# Altium PCB MICB.PcbDoc (part 1 of 3) (continued)
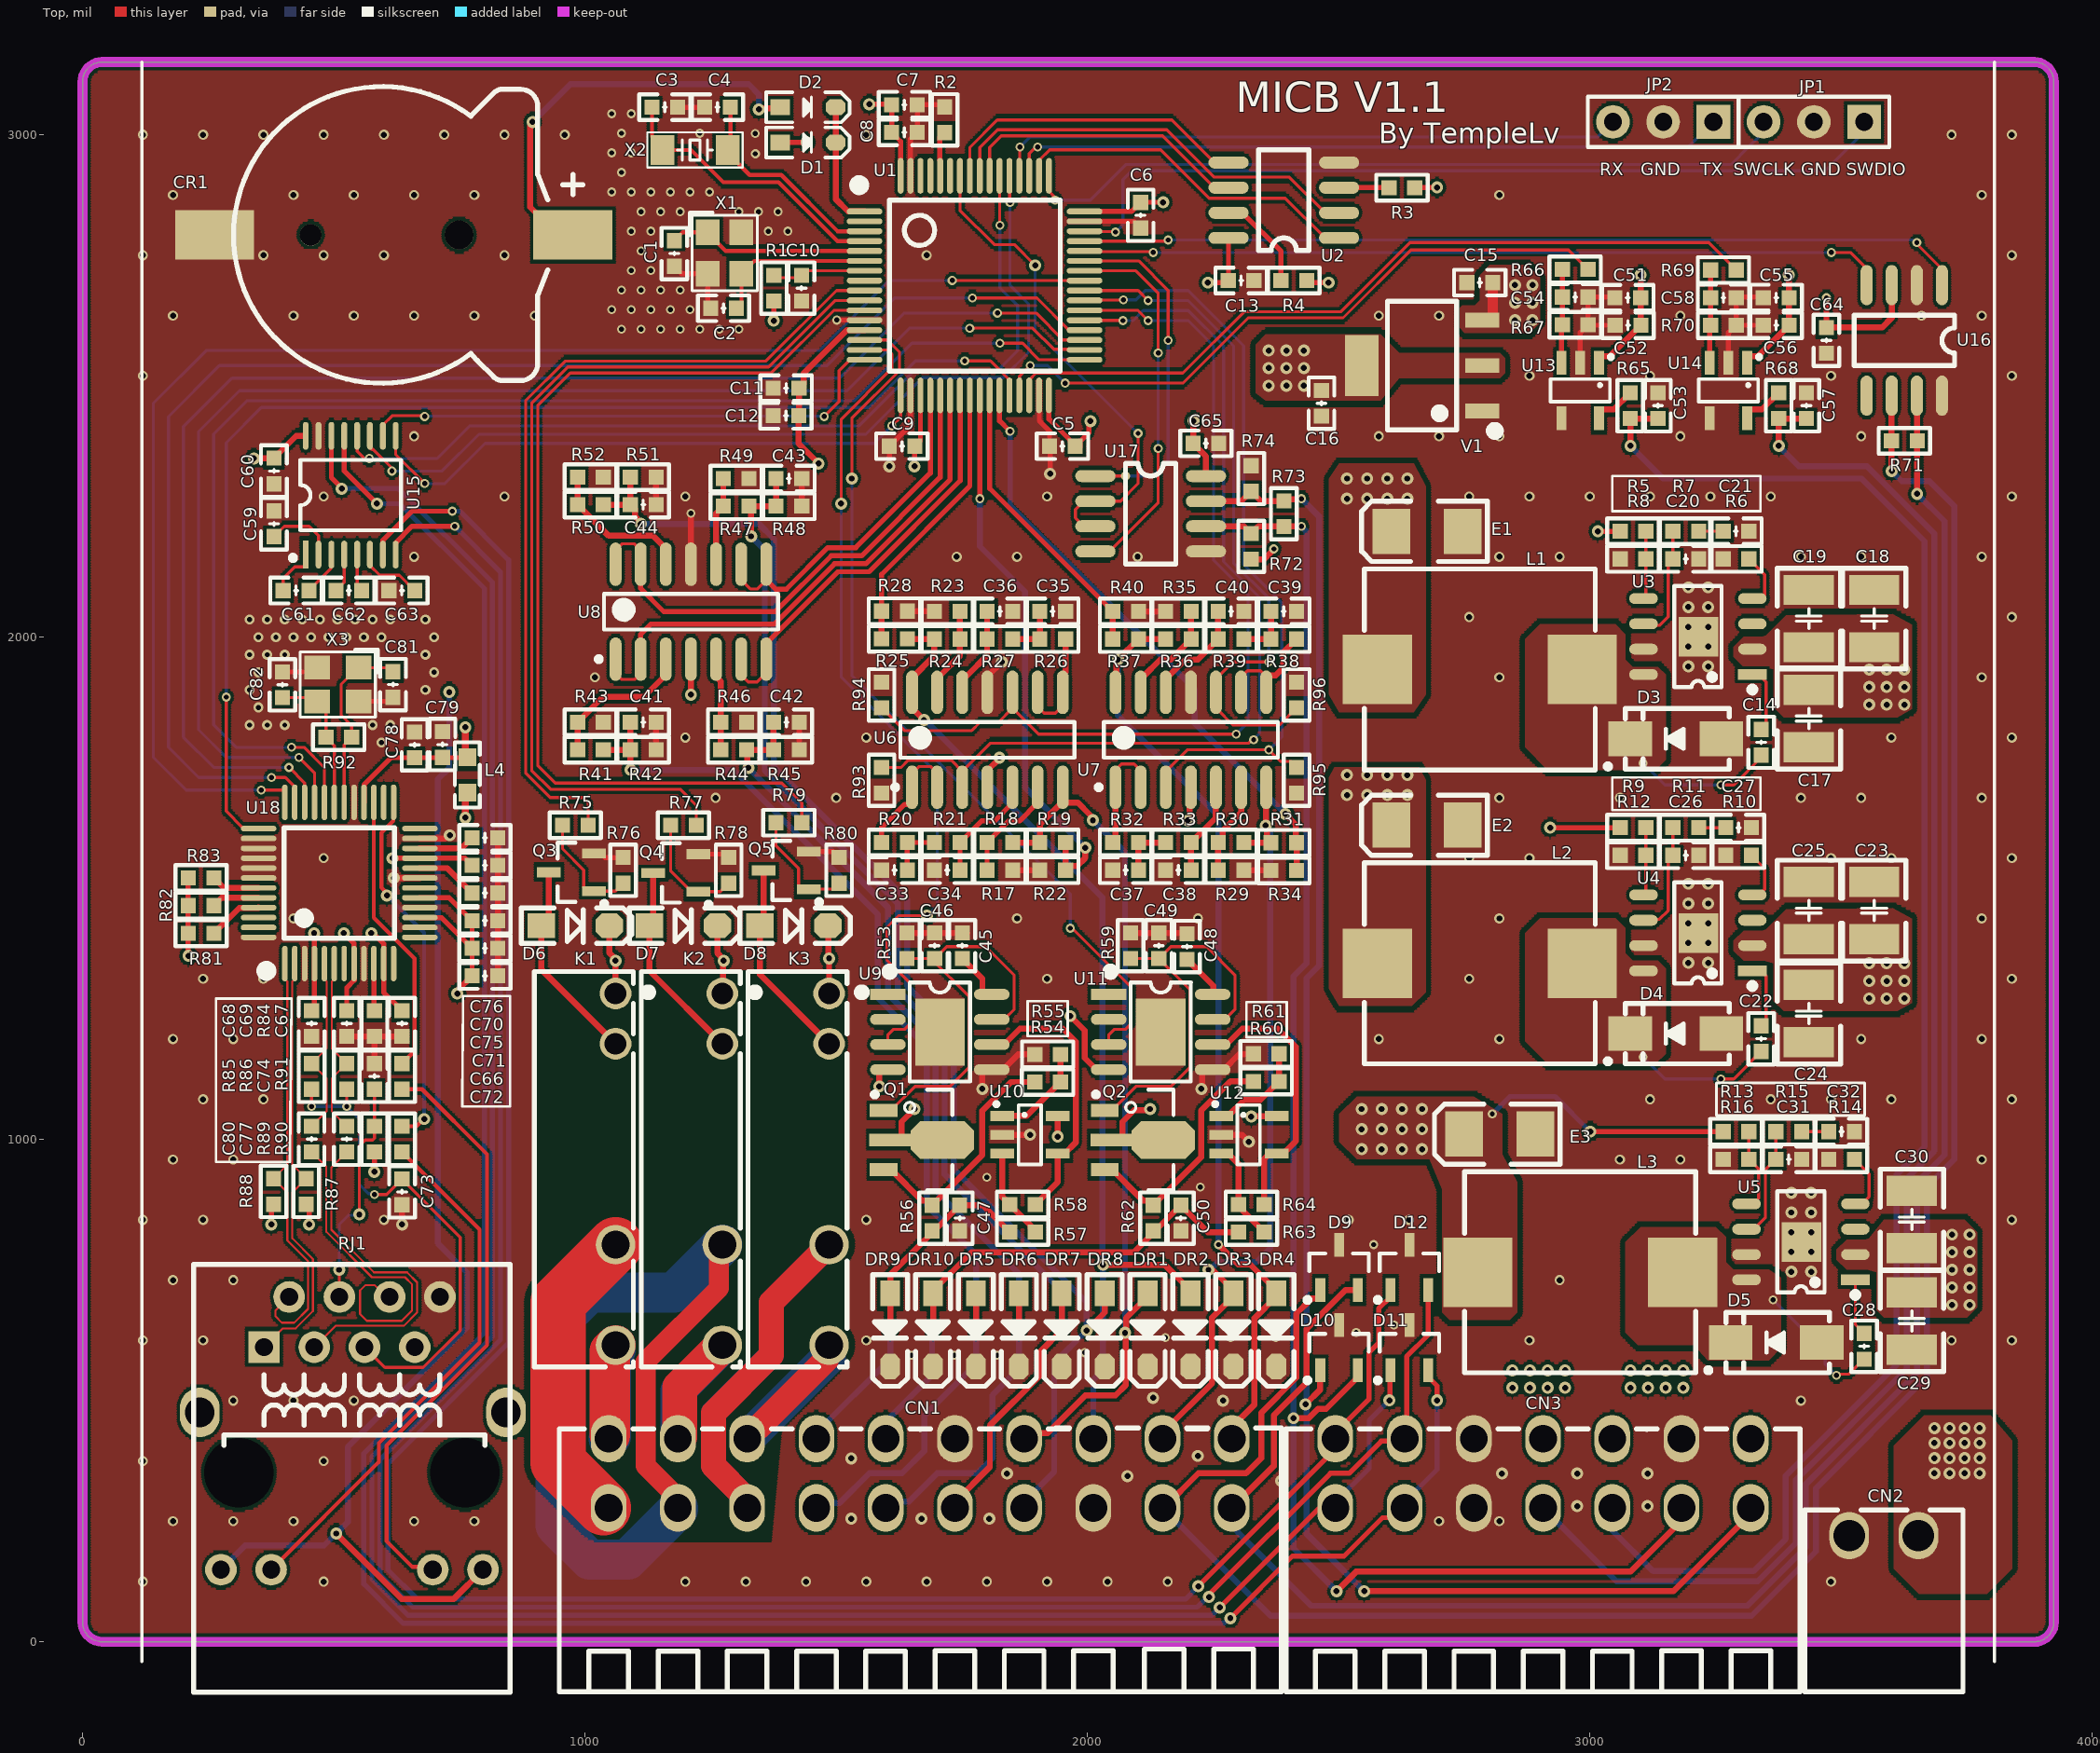
[diagram p0: Top view]
## Design rules (kind name [scope] priority, off if disabled: settings)
Clearance Clearance_RLY [InNetClass('RLY') vs InNet('GND')] p1: gap=12 ignorepadtopadclearanceinfootprint=TRUE
Clearance Clearance_PWR [InNetClass('PWR_NO_GND')] p2: gap=6 ignorepadtopadclearanceinfootprint=TRUE except(10: Fill-Fill Fill-Poly Fill-Region Poly-Poly Poly-Region Region-Region)
Clearance Clearance_VIN_COV_GND [InNetClass('CO_V') or InNet('GND') vs InNet('VIN')] p3: gap=10 ignorepadtopadclearanceinfootprint=TRUE
Clearance [All] p4: gap=6 ignorepadtopadclearanceinfootprint=TRUE
DiffPairsRouting DiffPair_100omDiffPairsRouting [InDifferentialPairClass('100om')] p1: maxlimit=6 minlimit=6 mostfreqgap=6 toplayer_minwidth=4 toplayer_maxwidth=4 toplayer_prefwidth=4 bottomlayer_minwidth=4 bottomlayer_maxwidth=4 bottomlayer_prefwidth=4 maxuncoupledlength=500
DiffPairsRouting [All] p2: maxlimit=10 minlimit=10 mostfreqgap=10 toplayer_minwidth=15 toplayer_maxwidth=15 toplayer_prefwidth=15 bottomlayer_minwidth=15 bottomlayer_maxwidth=15 bottomlayer_prefwidth=15 maxuncoupledlength=500
MatchedLengths DiffPair_100omMatchedLengths [InDifferentialPairClass('100om')] p1: tolerance=5 checknetsindiffpair=TRUE checkdiffpairvsdiffpair=FALSE checkxsignals=FALSE checkothers=FALSE
MatchedLengths DiffPair_MatchedLengths [All] p2: tolerance=1000 checknetsindiffpair=FALSE checkdiffpairvsdiffpair=TRUE checkxsignals=TRUE checkothers=TRUE
MatchedLengths DiffPair_100om2233MatchedLengths [InDifferentialPairClass('100om')] p3: tolerance=1000 checknetsindiffpair=FALSE checkdiffpairvsdiffpair=TRUE checkxsignals=TRUE checkothers=TRUE
MatchedLengths DiffPair_100omMatchedLengths_1 [InDifferentialPairClass('100om')] p4: tolerance=5 checknetsindiffpair=TRUE checkdiffpairvsdiffpair=FALSE checkxsignals=FALSE checkothers=FALSE
PlaneClearance [All] p1: clearance=7
PlaneConnect [All] p1: planeconnectstyle=Direct reliefexpansion=20 reliefentries=4 reliefconductorwidth=10 reliefairgap=10
PolygonConnect PolygonConnect_FL_PWR [All] p1: connectstyle=Direct reliefconductorwidth=10 reliefentries=4 polygonreliefangle="90 Angle" airgapwidth=10
PolygonConnect PolygonConnect_COV [InNetClass('CO_V')] p2: connectstyle=Direct reliefconductorwidth=10 reliefentries=4 polygonreliefangle="90 Angle" airgapwidth=10
PolygonConnect PolygonConnect_VIN [InNet('VIN')] p3: connectstyle=Direct reliefconductorwidth=40 reliefentries=4 polygonreliefangle="90 Angle" airgapwidth=10
PolygonConnect [All] p4: thpad.connectstyle=Relief thpad.reliefconductorwidth=20 thpad.reliefentries=4 thpad.polygonreliefangle="90 Angle" thpad.airgapwidth=10 smdpad.connectstyle=Relief smdpad.reliefconductorwidth=20 smdpad.reliefentries=4 smdpad.polygonreliefangle="90 Angle" smdpad.airgapwidth=10 via.connectstyle=Direct via.reliefconductorwidth=10 via.reliefentries=4 via.polygonreliefangle="90 Angle" via.airgapwidth=10
RoutingVias RoutingVias_VIN [InNet('VIN')] p1: holewidth=12 width=22 viastyle="Through Hole" minholewidth=10 minwidth=20 maxholewidth=14 maxwidth=24
RoutingVias RoutingVias_PWR [InNetClass('PWR')] p2: holewidth=12 width=24 viastyle="Through Hole" minholewidth=9 minwidth=18 maxholewidth=14 maxwidth=26
RoutingVias [All] p3: holewidth=12 width=22 viastyle="Through Hole" minholewidth=7.87 minwidth=17.72 maxholewidth=12 maxwidth=24
SilkToSilkClearance [All] p1: silktosilkclearance=2
SilkToSolderMaskClearance [IsPad] p1: minsilkscreentomaskgap=2 clearancetoexposedcopper=TRUE
SolderMaskExpansion [All] p1: expansion=2.5 istentingtop=FALSE
Width Width_PWR [InNetClass('PWR')] p1: maxlimit=40 minlimit=10 preferedwidth=20
Width Width_RLY [InNetClass('RLY')] p2: maxlimit=110 minlimit=30 preferedwidth=80
Width [All] p3: maxlimit=12 minlimit=4 preferedwidth=6
25 further rules are at their usual default settings.

## Classes and differential pairs
net class PWR_NO_GND: 3.3V 5V 6V 12V CO_5V CO_6V CO_12V
differential pair class 100om: D_RJ45_RX D_RJ45_RXC D_RJ45_TX
net class VIN: VIN
net class FL_PWR: 3.3V 5V 6V 12V
net class CO_V: CO_5V CO_6V CO_12V
net class RLY: COM_1 COM_2 COM_3 NO_1 NO_2 NO_3
net class PWR: 3.3V 3V3A 5V 6V 12V GND VIN
net class 12V: 12V
net class 5V: 5V
net class 6V: 6V
net class 3V3A: 3V3A
net class 3.3V: 3.3V
component class CONN: CN1 CN2 CN3 JP1 JP2
component class ETH: C66 C67 C68 C69 C70 C71 C72 C73 C74 C75 C76 C77 C78 C79 C80 C81 C82 L4 R81 R82 R83 R84 R85 R86 R87 R88 R89 R90 R91 R92 RJ1 U18 X3
component class Serial: C59 C60 C61 C62 C63 C64 C65 D9 D10 D11 D12 R71 R72 R73 R74 U15 U16 U17
component class RLY: D6 D7 D8 K1 K2 K3 Q3 Q4 Q5 R75 R76 R77 R78 R79 R80
component class PWM: C51 C52 C53 C54 C55 C56 C57 C58 R65 R66 R67 R68 R69 R70 U13 U14
component class Iout: C45 C46 C47 C48 C49 C50 DR9 DR10 Q1 Q2 R53 R54 R55 R56 R57 R58 R59 R60 R61 R62 R63 R64 U9 U10 U11 U12
component class Ain: C41 C42 C43 C44 DR5 DR6 DR7 DR8 R41 R42 R43 R44 R45 R46 R47 R48 R49 R50 R51 R52 U8
component class Vout: C33 C34 C35 C36 C37 C38 C39 C40 DR1 DR2 DR3 DR4 R17 R18 R19 R20 R21 R22 R23 R24 R25 R26 R27 R28 R29 R30 R31 R32 R33 R34 R35 R36 R37 R38 R39 R40 U6 U7
component class PWR: C14 C15 C16 C17 C18 C19 C20 C21 C22 C23 C24 C25 C26 C27 C28 C29 C30 C31 C32 D3 D4 D5 E1 E2 E3 L1 L2 L3 R5 R6 R7 R8 R9 R10 R11 R12 R13 R14 R15 R16 U3 U4 U5 V1
component class MCU: C1 C2 C3 C4 C5 C6 C7 C8 C9 C10 C11 C12 C13 CR1 D1 D2 R1 R2 R3 R4 U1 U2 X1 X2
differential pair D_RJ45_RXC: +RXC_P -RXC_N
differential pair D_RJ45_RX: +RX_P -RX_N
differential pair D_RJ45_TX: +TX_P -TX_N

## Components (designator, comment, footprint, x,y, rotation, side; value= is the part's Value field where it differs from the comment)
C1 "20pF/25V" "C 0603_L" 1178.06,2763.65 r270 top
C2 "20pF/25V" "C 0603_L" 1275.98,2654.72 r180 top
C3 "4.3pF/25V" "C 0603_L" 1158.91,3054.72 r0 top
C4 "4.3pF/25V" "C 0603_L" 1263.91,3054.72 r180 top
C5 "0.1uF/25V" "C 0603_L" 1950.39,2380.03 r0 top
C6 "0.1uF/25V" "C 0603_L" 2105.98,2839.72 r90 top
C7 "4.7uF/25V" "C 0603_L" 1635.98,3059.79 r180 top
C8 "0.1uF/25V" "C 0603_L" 1635.98,3004.79 r180 top
C9 "0.1uF/25V" "C 0603_L" 1630.98,2380.03 r0 top
C10 "0.1uF/25V" "C 0603_L" 1430.98,2694.72 r90 top
C11 "10nF/25V" "C 0603_L" 1400.39,2495.62 r180 top
C12 "1uF/25V" "C 0603_L" 1400,2440.63 r180 top
C13 "0.1uF/25V" "C 0603_L" 2305.98,2710.03 r180 top
C14 "100nF/10V" "C 0603_L" 3340.98,1790.63 r90 top
C15 "10uF/25V" "C 0603_L" 2780.98,2705.63 r0 top
C16 "22uF/25V" "C 0603_L" 2465.98,2465.63 r90 top
C17 "3.3uF/100V" "C 1210_L" 3435.98,1838.02 r90 top
C18 "3.3uF/100V" "C 1210_L" 3565.98,2036.85 r270 top
C19 "3.3uF/100V" "C 1210_L" 3435.98,2036.85 r270 top
C20 "36pF/50V" "C 0603_L" 3190.99,2155.63 r0 top
C21 "1.1nF/50V" "C 0603_L" 3290.98,2210.63 r0 top
C22 "100nF/10V" "C 0603_L" 3340.98,1200.63 r90 top
C23 "3.3uF/100V" "C 1210_L" 3565.98,1455.63 r270 top
C24 "3.3uF/100V" "C 1210_L" 3435.98,1250.63 r90 top
C25 "3.3uF/100V" "C 1210_L" 3435.98,1455.63 r270 top
C26 "43pF/50V" "C 0603_L" 3190.98,1565.63 r0 top
C27 "1.2nF/50V" "C 0603_L" 3295.98,1620.63 r0 top
C28 "100nF/10V" "C 0603_L" 3545.98,588.33 r90 top
C29 "10uF/100V" "C 1210_L" 3640.98,638.54 r90 top
C30 "10uF/100V" "C 1210_L" 3640.98,840.63 r270 top
C31 "6.8pF/100V" "C 0603_L" 3395.98,960.63 r0 top
C32 "1.8nF/50V" "C 0603_L" 3500.98,1015.63 r0 top
C33 "10uF/25V" "C 0603_L" 1615.98,1536.14 r0 top
C34 "10uF/25V" "C 0603_L" 1720.98,1536.14 r0 top
C35 "10uF/25V" "C 0603_L" 1930.98,2051.14 r180 top
C36 "10uF/25V" "C 0603_L" 1825.98,2051.14 r180 top
C37 "10uF/25V" "C 0603_L" 2075.98,1536.14 r0 top
C38 "10uF/25V" "C 0603_L" 2180.98,1536.14 r0 top
C39 "10uF/25V" "C 0603_L" 2390.98,2051.14 r180 top
C40 "10uF/25V" "C 0603_L" 2285.98,2051.14 r180 top
C41 "0.22uF/25V" "C 0603_L" 1115.98,1830.63 r180 top
C42 "0.22uF/25V" "C 0603_L" 1400.98,1830.63 r180 top
C43 "0.22uF/25V" "C 0603_L" 1405.98,2315.63 r180 top
C44 "0.22uF/25V" "C 0603_L" 1115.98,2263.5 r180 top
C45 "1uF/25V" "C 0603_L" 1750.98,1385.63 r90 top
C46 "1uF/25V" "C 0603_L" 1695.98,1385.63 r90 top
C47 "22uF/25V" "C 0603_L" 1745.98,843.5 r270 top
C48 "1uF/25V" "C 0603_L" 2198.39,1384.04 r90 top
C49 "1uF/25V" "C 0603_L" 2142.2,1385.63 r90 top
C50 "22uF/25V" "C 0603_L" 2185.99,843.5 r270 top
C51 "10uF/25V" "C 0603_L" 3075.67,2675.63 r180 top
C52 "0.1uF/25V" "C 0603_L" 3075.98,2620.75 r180 top
C53 "39nF/25V" "C 0603_L" 3135.67,2460.63 r270 top
C54 "1uF/25V" "C 0603_L" 2970.98,2676.85 r180 top
C55 "10uF/25V" "C 0603_L" 3370.98,2675.75 r180 top
C56 "0.1uF/25V" "C 0603_L" 3370.98,2620.75 r180 top
C57 "39nF/25V" "C 0603_L" 3430.98,2460.62 r270 top
C58 "1uF/25V" "C 0603_L" 3265.98,2675.75 r180 top
C59 "0.1uF/25V" "C 0603_L" 380.98,2225.63 r90 top
C60 "0.1uF/25V" "C 0603_L" 380.98,2330.63 r270 top
C61 "0.1uF/25V" "C 0603_L" 425,2092.68 r180 top
C62 "0.1uF/25V" "C 0603_L" 530,2092.68 r180 top
C63 "0.1uF/25V" "C 0603_L" 635.59,2092.67 r180 top
C64 "0.1uF/25V" "C 0603_L" 3470.98,2590.63 r270 top
C65 "0.1uF/25V" "C 0603_L" 2235.98,2385.63 r0 top
C66 "0.1uF/25V" "C 0603_L" 800.98,1380.63 r180 top
C67 "0.1uF/25V" "C 0603_L" 635.98,1230.63 r90 top
C68 "0.1uF/25V" "C 0603_L" 455.98,1230.63 r90 top
C69 "0.1uF/25V" "C 0603_L" 525.98,1230.63 r90 top
C70 "0.1uF/25V" "C 0603_L" 800.98,1545.63 r180 top
C71 "0.1uF/25V" "C 0603_L" 800.98,1435.63 r180 top
C72 "10uF/25V" "C 0603_L" 800.98,1325.63 r180 top
C73 "10nF/25V" "C 0603_L" 635.98,895.63 r90 top
C74 "22nF/25V" "C 0603_L" 580.98,1125.63 r270 top
C75 "4.7uF/25V" "C 0603_L" 800.98,1490.63 r0 top
C76 "10nF/25V" "C 0603_L" 800.98,1600.63 r0 top
C77 "6.8nF/25V" "C 0603_L" 525.98,1000.63 r270 top
C78 "0.1uF/25V" "C 0603_L" 660.98,1785.63 r90 top
C79 "10uF/25V" "C 0603_L" 716.4,1786.17 r90 top
C80 "6.8nF/25V" "C 0603_L" 455.98,1000.63 r270 top
C81 "18pF/25V" "C 0603_L" 618.06,1905.63 r270 top
C82 "18pF/25V" "C 0603_L" 398.05,1905.04 r90 top
CN1 "KF2EDGKRH-3.5-2*10P" CONN-TH_20P-P3.50_KEFA_KF2EDGKRH-3.5-2X10P 1667.4,335.47 r0 top locked
CN2 "KF2EDGR-3.5-2P" CONN-TH_P3.50_KF2EDGR-3.5-2P 3585.2,211.45 r0 top locked
CN3 "KF2EDGKRH-3.5-2*7P" CONN-TH_14P-P3.50_KEFA_KF2EDGKRH-3.5-2X7P 2906.97,335.47 r0 top locked
CR1 "BS-12-B2AA002" CR1220_B 595.98,2800.63 r0 top
D1 "1N4148" SOD-323 1443.91,2984.72 r0 top
D2 "1N4148" SOD-323 1443.91,3054.72 r0 top
D3 "SS510" SMA 3170.98,1797.63 r180 top
D4 "SS510" SMA 3170.98,1210.63 r180 top
D5 "SS510" SMA 3370.98,595.63 r180 top
D6 "1N4148W" SOD-123 980.98,1425.63 r0 top
D7 "1N4148W" SOD-123 1195.98,1425.63 r0 top
D8 "1N4148W" SOD-123 1415.98,1425.63 r0 top
D9 "PESD2CAN" SOT23-3N 2500.98,745.63 r0 top
D10 "SM712" SOT23-3N 2500.98,585.63 r0 top
D11 "SM15C" SOT23-3N 2640.98,585.63 r0 top
D12 "SM15C" SOT23-3N 2640.98,745.63 r0 top
DR1 "SMF11CA" SOD-123F 2119.83,620.63 r270 top
DR2 "SMF11CA" SOD-123F 2205.21,620.63 r270 top
DR3 "SMF11CA" SOD-123F 2290.6,620.63 r270 top
DR4 "SMF11CA" SOD-123F 2375.98,620.63 r270 top
DR5 "SMF11CA" SOD-123F 1778.29,620.63 r270 top
DR6 "SMF11CA" SOD-123F 1863.67,620.63 r270 top
DR7 "SMF11CA" SOD-123F 1949.06,620.63 r270 top
DR8 "SMF11CA" SOD-123F 2034.44,620.63 r270 top
DR9 "SMF11CA" SOD-123F 1607.52,620.63 r270 top
DR10 "SMF11CA" SOD-123F 1692.9,620.63 r270 top
E1 "68uF/10V" "CD B(3528)" 2675.98,2210.63 r0 top
E2 "47uF/16V" "CD B(3528)" 2675.98,1625.63 r0 top
E3 "47uF/16V" "CD B(3528)" 2820.98,1010.63 r0 top
JP1 "HDR-1X3" HDR2.54-LI-3P 3445.98,3025.63 r180 top
JP2 "HDR-1X3" HDR2.54-LI-3P 3145.98,3025.63 r180 top
K1 "HF49FD/012-1H11" RELAY-TH_HF49FD-XXX-1H11-XXX 1060.98,940.63 r270 top
K2 "HF49FD/012-1H11" RELAY-TH_HF49FD-XXX-1H11-XXX 1273.48,940.63 r270 top
K3 "HF49FD/012-1H11" RELAY-TH_HF49FD-XXX-1H11-XXX 1485.98,940.63 r270 top
L1 "15uH 4A" L-SMD-1040 2780.98,1935.63 r180 top
L2 "15uH 4A" L-SMD-1040 2780.98,1350.63 r180 top
L3 "33uH 4A" L-SMD-1040 2980.98,735.63 r180 top
L4 "120R 100MHz 1100mA" "L 0603" 765.98,1725.63 r270 top
Q1 "2SD882" SOT89_N 1671.38,998.94 r270 top
Q2 "2SD882" SOT89_N 2111.38,998.94 r270 top
Q3 "SS8050" SOT23-3N 973.43,1531.85 r90 top
Q4 "SS8050" SOT23-3N 1180.98,1530.63 r90 top
Q5 "SS8050" SOT23-3N 1400.98,1535.63 r90 top
R1 "10K(1%)(NC)" "R 0603_L" 1375.98,2694.72 r270 top
R2 "10K(1%)" "R 0603_L" 1715.98,3029.79 r270 top
R3 "10K(1%)" "R 0603_L" 2625.98,2894.72 r180 top
R4 "10K(1%)" "R 0603_L" 2410.98,2710.03 r180 top
R5 "60.4K(1%)" "R 0603_L" 3085.98,2210.63 r180 top
R6 "274K(1%)" "R 0603_L" 3290.98,2155.63 r0 top
R7 "23.7K(1%)" "R 0603_L" 3190.99,2210.63 r180 top
R8 "11.5K(1%)" "R 0603_L" 3085.99,2155.63 r0 top
R9 "71.5K(1%)" "R 0603_L" 3085.98,1620.63 r180 top
R10 "249K(1%)" "R 0603_L" 3295.98,1565.63 r0 top
R11 "18.7K(1%)" "R 0603_L" 3190.98,1620.63 r180 top
R12 "11K(1%)" "R 0603_L" 3085.98,1565.63 r0 top
R13 "147K(1%)" "R 0603_L" 3290.98,1015.63 r180 top
R14 "249K(1%)" "R 0603_L" 3500.98,960.63 r0 top
R15 "44.2K(1%)" "R 0603_L" 3395.98,1015.63 r180 top
R16 "10.5K(1%)" "R 0603_L" 3290.98,960.63 r0 top
R17 "1K(1%)" "R 0603_L" 1825.98,1536.14 r0 top
R18 "2.4K(1%)" "R 0603_L" 1825.98,1591.14 r180 top
R19 "2.4K(1%)" "R 0603_L" 1930.98,1591.14 r180 top
R20 "330R" "R 0603_L" 1615.98,1591.14 r180 top
R21 "330R" "R 0603_L" 1720.98,1591.14 r180 top
R22 "1K(1%)" "R 0603_L" 1930.98,1536.14 r0 top
R23 "1K(1%)" "R 0603_L" 1720.98,2051.14 r180 top
R24 "2.4K(1%)" "R 0603_L" 1720.98,1996.14 r0 top
R25 "2.4K(1%)" "R 0603_L" 1615.98,1996.73 r0 top
R26 "330R" "R 0603_L" 1930.98,1996.14 r0 top
R27 "330R" "R 0603_L" 1825.98,1996.14 r0 top
R28 "1K(1%)" "R 0603_L" 1615.98,2051.73 r180 top
R29 "1K(1%)" "R 0603_L" 2285.98,1536.14 r0 top
R30 "2.4K(1%)" "R 0603_L" 2285.98,1591.14 r180 top
R31 "2.4K(1%)" "R 0603_L" 2390.98,1590.63 r180 top
R32 "330R" "R 0603_L" 2075.98,1591.14 r180 top
R33 "330R" "R 0603_L" 2180.98,1591.14 r180 top
R34 "1K(1%)" "R 0603_L" 2390.98,1535.63 r0 top
R35 "1K(1%)" "R 0603_L" 2180.98,2051.14 r180 top
R36 "2.4K(1%)" "R 0603_L" 2180.98,1996.14 r0 top
R37 "2.4K(1%)" "R 0603_L" 2075.98,1996.14 r0 top
R38 "330R" "R 0603_L" 2390.98,1996.14 r0 top
R39 "330R" "R 0603_L" 2285.98,1996.14 r0 top
R40 "1K(1%)" "R 0603_L" 2075.98,2051.14 r180 top
R41 "100K(1%)" "R 0603_L" 1010.98,1775.63 r0 top
R42 "250R(1%)(NC)" "R 0603_L" 1115.98,1775.63 r180 top
R43 "40.2K(1%)" "R 0603_L" 1010.98,1830.63 r180 top
R44 "100K(1%)" "R 0603_L" 1295.98,1775.63 r0 top
R45 "250R(1%)(NC)" "R 0603_L" 1400.98,1775.63 r180 top
R46 "40.2K(1%)" "R 0603_L" 1295.98,1830.63 r180 top
R47 "100K(1%)" "R 0603_L" 1300.98,2260.63 r0 top
R48 "250R(1%)" "R 0603_L" 1405.98,2260.63 r180 top
R49 "40.2K(1%)" "R 0603_L" 1300.98,2315.63 r180 top
R50 "100K(1%)" "R 0603_L" 1010.98,2263.5 r0 top
R51 "250R(1%)" "R 0603_L" 1115.98,2318.5 r180 top
R52 "40.2K(1%)" "R 0603_L" 1010.98,2318.5 r180 top
R53 "10K(1%)" "R 0603_L" 1640.98,1385.63 r90 top
R54 "1M(1%)" "R 0603_L" 1920.99,1114.41 r0 top
R55 "1M(1%)" "R 0603_L" 1920.98,1169.41 r180 top
R56 "250R(1%)" "R 0603_L" 1690.98,843.5 r270 top
R57 "1M(1%)" "R 0603_L" 1870.98,815.63 r0 top
R58 "1M(1%)" "R 0603_L" 1870.98,870.63 r0 top
R59 "10K(1%)" "R 0603_L" 2085.98,1385.63 r90 top
R60 "1M(1%)" "R 0603_L" 2355.98,1115.63 r0 top
R61 "1M(1%)" "R 0603_L" 2355.98,1170.63 r180 top
R62 "250R(1%)" "R 0603_L" 2130.99,843.5 r270 top
R63 "1M(1%)" "R 0603_L" 2326.38,815.62 r0 top
R64 "1M(1%)" "R 0603_L" 2326.38,870.62 r0 top
R65 "100R" "R 0603_L" 3080.67,2460.63 r90 top
R66 "100R" "R 0603_L" 2970.98,2731.85 r0 top
R67 "10K(1%)" "R 0603_L" 2970.98,2621.85 r0 top
R68 "100R" "R 0603_L" 3375.98,2460.63 r90 top
R69 "100R" "R 0603_L" 3265.98,2730.75 r0 top
R70 "10K(1%)" "R 0603_L" 3265.98,2620.75 r0 top
R71 "120R" "R 0603_L" 3625.98,2390.63 r0 top
R72 "4.7K" "R 0603_L" 2325.98,2180.63 r270 top
R73 "120R(NC)" "R 0603_L" 2390.98,2245.63 r90 top
R74 "4.7K" "R 0603_L" 2325.98,2315.63 r270 top
R75 "1K(1%)" "R 0603_L" 980.98,1625.63 r0 top
R76 "1K(1%)" "R 0603_L" 1075.98,1535.63 r270 top
R77 "1K(1%)" "R 0603_L" 1195.98,1625.63 r0 top
R78 "1K(1%)" "R 0603_L" 1285.98,1535.63 r270 top
R79 "1K(1%)" "R 0603_L" 1405.98,1630.63 r0 top
R80 "1K(1%)" "R 0603_L" 1505.98,1535.63 r270 top
R81 "10K(1%)" "R 0603_L" 235.98,1410.63 r0 top
R82 "10K(1%)" "R 0603_L" 235.98,1465.63 r0 top
R83 "10K(1%)" "R 0603_L" 235.98,1520.63 r0 top
R84 "12.4K(1%)" "R 0603_L" 580.98,1230.63 r270 top
R85 "49.9R(1%)" "R 0603_L" 455.98,1125.63 r90 top
R86 "49.9R(1%)" "R 0603_L" 525.98,1125.63 r90 top
R87 "49.9R(1%)" "R 0603_L" 445.11,896.46 r90 top
R88 "49.9R(1%)" "R 0603_L" 380.11,896.46 r90 top
R89 "10R(1%)" "R 0603_L" 580.98,1000.63 r90 top
R90 "470R" "R 0603_L" 635.98,1000.63 r90 top
R91 "470R" "R 0603_L" 635.98,1125.63 r90 top
R92 "1M(1%)" "R 0603_L" 510.13,1800.63 r0 top
R93 "10K(1%)" "R 0603_L" 1590.38,1715 r90 top
R94 "10K(1%)" "R 0603_L" 1590.39,1885 r270 top
R95 "10K(1%)" "R 0603_L" 2416.57,1715 r90 top
R96 "10K(1%)" "R 0603_L" 2416.57,1885 r270 top
RJ1 "HR911105A" RJ-45A12 536.3,336.58 r0 top locked
U1 "STM32F103RCT6" "LQFP64 10x10_N" 1775.98,2699.72 r270 top
U2 "GD25Q16CTIG" SOP-8 2500.98,2794.72 r180 top
U3 "TPS54360DDAR" SOP-8EP 3323.48,1925.63 r90 top
U4 "TPS54360DDAR" SOP-8EP 3323.48,1335.63 r90 top
U5 "TPS54360DDAR" SOP-8EP 3528.48,720.63 r90 top
U6 "LM324DR" D014_N 1800.98,1795.63 r90 top
U7 "LM324DR" D014_N 2205.98,1795.63 r90 top
U8 "LM324DR" D014_N 1210.98,2050.63 r90 top
U9 "GP8102S-TC50-EW" ESOP8_N 1706.38,1213.94 r0 top
U10 "LM321" SOT23-5N 1885.98,1009.41 r270 top
U11 "GP8102S-TC50-EW" ESOP8_N 2145.98,1213.94 r0 top
U12 "LM321" SOT23-5N 2321.38,1009.41 r270 top
U13 "UCC27517ADBVR" SOT23-5N 2980.98,2490.63 r180 top
U14 "UCC27517ADBVR" SOT23-5N 3275.98,2490.63 r180 top
U15 "SP3232EEY-L/TR" TSSOP16_N 533.78,2282.68 r90 top
U16 "TJA1050T/CM,118" SOP-8 3700.98,2700.63 r270 top
U17 "MAX3485ESA" SOP-8 2015.98,2320.63 r0 top
U18 "W5500" "LQFP48 7X7_N" 510.98,1510.63 r0 top
V1 "CJT1117B-3.3" SOT223_L 2665.98,2540.63 r90 top
X1 "8M" "OSC 3225-4P" 1278.06,2764.72 r270 top
X2 "32.768 kHz ±10PPM" "OSC 3215-2P" 1218.91,2969.72 r0 top
X3 "25M" "OSC 3225-4P" 508.06,1905.63 r180 top

## Footprints (in the part's own frame and the unit in brackets; to place one, negate y for a bottom-side part, rotate by r counter-clockwise, add the part's x,y. Pads: shape width x height; smd on the part's side, far side on the other; paste and mask are expansions set on the pad)
"C 0603_L" [mil] "无极性贴片电容"
  rect 30x30 smd: 1(-25.59,0) 2(25.59,0)
  silkscreen extent -51,-26 51,26, body extent -31,-16 31,16, height 32
"C 1210_L" [mil] "无极性贴片电容"
  rect 60x100 smd: 1(-57.09,0) 2(57.09,0)
  silkscreen extent -100,-63 100,63, body extent -63,-51 63,51, height 60
"CD B(3528)" [mil] "长3.5mm，宽2.8mm，厚1.9mm"
  rect 75x90 smd: 1(-70.87,-0.01) 2(70.86,-0.01)
  silkscreen extent -130,-60 120,60, body extent -69,-55 69,55, height 75
CONN-TH_14P-P3.50_KEFA_KF2EDGKRH-3.5-2X7P [mm]
  oval 1.8x2.4 hole 1.4: 1(-10.5,-1.75) 2(-10.5,1.75) 3(-7,-1.75) 4(-7,1.75) 5(-3.5,-1.75) 6(-3.5,1.75) 7(0,-1.75) 8(0,1.75) 9(3.5,-1.75) 10(3.5,1.75) 11(7,-1.75) 12(7,1.75) 13(10.5,-1.75) 14(10.5,1.75)
  silkscreen extent -13,-11.05 13,2.25, body extent -13.13,-11.05 12.87,2.25, height 15.26
CONN-TH_20P-P3.50_KEFA_KF2EDGKRH-3.5-2X10P [mm]
  oval 1.8x2.4 hole 1.4: 1(-15.75,-1.75) 2(-15.75,1.75) 3(-12.25,-1.75) 4(-12.25,1.75) 5(-8.75,-1.75) 6(-8.75,1.75) 7(-5.25,-1.75) 8(-5.25,1.75) 9(-1.75,-1.75) 10(-1.75,1.75) 11(1.75,-1.75) 12(1.75,1.75) 13(5.25,-1.75) 14(5.25,1.75) 15(8.75,-1.75) 16(8.75,1.75) 17(12.25,-1.75) 18(12.25,1.75) 19(15.75,-1.75) 20(15.75,1.75)
  silkscreen extent -18.25,-11.05 18.25,2.29, body extent -18.25,-11.05 18.25,2.25, height 15.26
CONN-TH_P3.50_KF2EDGR-3.5-2P [mm]
  oval 2x2.4 hole 1.6: 1(-1.75,0) 2(1.75,0)
  silkscreen extent -4,-7.9 4,1.3, body extent -4.13,-7.9 3.87,1.3, height 6.98
CR1220_B [mm] "纽扣电池座"
  round 1.1 hole 1.1: 0(-3.6,0)
  round 1.45 hole 1.45: 0(3.9,0)
  rect 4x2.5 smd: 1(9.652,0) 2(-8.458,0)
  silkscreen extent -7.5,-7.5 10.16,7.5, body extent -9.42,-7.45 10.34,7.45, height 4.05
D014_N [mm] "SOIC, 14-Leads, Body 8.7x3.9mm, Pitch 1.27mm, IPC Medium Density"
  oval 2.2x0.6 smd: 1(-2.4,3.81) 2(-2.4,2.54) 3(-2.4,1.27) 4(-2.4,0) 5(-2.4,-1.27) 6(-2.4,-2.54) 7(-2.4,-3.81) 8(2.4,-3.81) 9(2.4,-2.54) 10(2.4,-1.27) 11(2.4,0) 12(2.4,1.27) 13(2.4,2.54) 14(2.4,3.81)
  silkscreen extent -2.52,-4.4 0.9,4.78, body extent -2,-4.38 2,4.38, height 1.75
ESOP8_N [mm] "5*6*1.8mm（长宽高）"
  rect 1.8x0.55 smd: 1(-2.625,1.905)
  oval 1.8x0.55 smd: 2(-2.625,0.635) 3(-2.625,-0.635) 4(-2.625,-1.905) 5(2.625,-1.905) 6(2.625,-0.635) 7(2.625,0.635) 8(2.625,1.905)
  rect 2.5x3.4 smd paste-2: 9(0,0)
  rect 0.9x0.7 on Top Paste: 10(-0.625,-1.1) 10(-0.625,0) 10(-0.625,1.1) 11(0.65,-1.1) 11(0.65,0) 11(0.65,1.1)
  silkscreen extent -2.69,-2.5 1.52,3.2, body extent -3,-2.5 3,2.5, height 1.53
HDR2.54-LI-3P [mm] "排针，3脚"
  rect 1.7x1.7 hole 0.9: 1(-2.54,0)
  round 1.7 hole 0.9: 2(0,0) 3(2.54,0)
  silkscreen extent -3.81,-1.27 3.81,1.27, body extent -3.81,-1.27 3.81,1.27, height 8.5
"L 0603" [mil] "小功率贴片电感"
  rect 35x35 smd: 1(-35,0) 2(35,0)
  silkscreen extent -65,-25 65,25, body extent -31,-16 31,16, height 31
L-SMD-1040 [mm] "一体化成型电感"
  rect 3.5x3.5 smd: 1(-5.177,0) 2(5.177,0)
  silkscreen extent -5.84,-5.08 5.84,5.08, body extent -5.5,-5 5.5,5, height 3.7
"LQFP48 7X7_N" [mm] "48脚，体宽7x7mm，脚距0.5mm"
  oval 0.279x1.8 smd: 1(-2.75,-4.075) 2(-2.25,-4.075) 3(-1.75,-4.075) 4(-1.25,-4.075) 5(-0.75,-4.075) 6(-0.25,-4.075) 7(0.25,-4.075) 8(0.75,-4.075) 9(1.25,-4.075) 10(1.75,-4.075) 11(2.25,-4.075) 12(2.75,-4.075) 25(2.75,4.075) 26(2.25,4.075) 27(1.75,4.075) 28(1.25,4.075) 29(0.75,4.075) 30(0.25,4.075) 31(-0.25,4.075) 32(-0.75,4.075) 33(-1.25,4.075) 34(-1.75,4.075) 35(-2.25,4.075) 36(-2.75,4.075)
  oval 1.8x0.279 smd: 13(4.075,-2.75) 14(4.075,-2.25) 15(4.075,-1.75) 16(4.075,-1.25) 17(4.075,-0.75) 18(4.075,-0.25) 19(4.075,0.25) 20(4.075,0.75) 21(4.075,1.25) 22(4.075,1.75) 23(4.075,2.25) 24(4.075,2.75) 37(-4.075,2.75) 38(-4.075,2.25) 39(-4.075,1.75) 40(-4.075,1.25) 41(-4.075,0.75) 42(-4.075,0.25) 43(-4.075,-0.25) 44(-4.075,-0.75) 45(-4.075,-1.25) 46(-4.075,-1.75) 47(-4.075,-2.25) 48(-4.075,-2.75)
  silkscreen extent -3.93,-4.69 2.79,2.79, body extent -4.5,-4.5 4.5,4.5, height 1.45
"LQFP64 10x10_N" [mm] "64脚，体宽10x10mm，脚距0.5mm"
  oval 0.3x1.8 smd: 1(-3.75,-5.575) 2(-3.25,-5.575) 3(-2.75,-5.575) 4(-2.25,-5.575) 5(-1.75,-5.575) 6(-1.25,-5.575) 7(-0.75,-5.575) 8(-0.25,-5.575) 9(0.25,-5.575) 10(0.75,-5.575) 11(1.25,-5.575) 12(1.75,-5.575) 13(2.25,-5.575) 14(2.75,-5.575) 15(3.25,-5.575) 16(3.75,-5.575) 33(3.75,5.55) 34(3.25,5.55) 35(2.75,5.55) 36(2.25,5.55) 37(1.75,5.55) 38(1.25,5.55) 39(0.75,5.55) 40(0.25,5.55) 41(-0.25,5.55) 42(-0.75,5.55) 43(-1.25,5.55) 44(-1.75,5.55) 45(-2.25,5.55) 46(-2.75,5.55) 47(-3.25,5.55) 48(-3.75,5.55)
  oval 1.8x0.3 smd: 17(5.55,-3.75) 18(5.55,-3.25) 19(5.55,-2.75) 20(5.55,-2.25) 21(5.55,-1.75) 22(5.55,-1.25) 23(5.55,-0.75) 24(5.55,-0.25) 25(5.55,0.25) 26(5.55,0.75) 27(5.55,1.25) 28(5.55,1.75) 29(5.55,2.25) 30(5.55,2.75) 31(5.55,3.25) 32(5.55,3.75) 49(-5.55,3.75) 50(-5.55,3.25) 51(-5.55,2.75) 52(-5.55,2.25) 53(-5.55,1.75) 54(-5.55,1.25) 55(-5.55,0.75) 56(-5.55,0.25) 57(-5.55,-0.25) 58(-5.55,-0.75) 59(-5.55,-1.25) 60(-5.55,-1.75) 61(-5.55,-2.25) 62(-5.55,-2.75) 63(-5.55,-3.25) 64(-5.55,-3.75)
  silkscreen extent -5.33,-6.09 4.32,4.32, body extent -6,-6 6,6, height 1.45
"OSC 3215-2P" [mm] "3.2*1.5*0.6mm(长宽高)"
  rect 1.2x1.5 smd: 1(-1.65,0) 2(1.65,0)
  silkscreen extent -2.41,-0.89 2.41,0.89, body extent -1.6,-0.75 1.6,0.75, height 0.61
"OSC 3225-4P" [mm] "3.2*2.5*0.7mm(长宽高)"
  rect 1.3x1.2 smd: 1(-1.05,-0.85) 2(1.05,-0.85) 3(1.05,0.85) 4(-1.05,0.85)
  silkscreen extent -2.03,-1.75 1.9,1.65, body extent -1.6,-1.25 1.6,1.25, height 0.7
"R 0603_L" [mil] "1/10W贴片电阻"
  rect 30x30 smd: 1(-25.59,0) 2(25.59,0)
  silkscreen extent -51,-26 51,26, body extent -31,-16 32,16, height 16
RELAY-TH_HF49FD-XXX-1H11-XXX [mm]
  round 1.6 hole 1.1: 1(-8.89,0) 2(-6.35,0)
  round 2 hole 1.4: 3(3.81,0) 4(8.89,0)
  silkscreen extent -10,-4.1 10,1.85, body extent -10,-4.15 10,0.85, height 12.8
RJ-45A12 [mil] "网线接口"
  round 130 hole 137.8: 0(-225,0) 0(225,0)
  rect 63x63 hole 35.43: 1(-175,250)
  round 63 hole 35.43: 2(-125,350) 3(-75,250) 4(-25,350) 5(25,250) 6(75,350) 7(125,250) 8(175,350) 9(-260.83,-192.91) 10(-160.83,-192.91) 11(160.82,-192.91) 12(260.82,-192.91)
  oval 78.74x98.43 hole 59.06: 13(306.49,120.08) 14(-302.96,120.08)
  silkscreen extent -315,-437 315,415, body extent -314,-430 311,412, height 103
SMA [mm] "4.5x2.6*2.2mm（长宽高，不包括引脚）"
  rect 2.2x1.75 smd: 1(-2.3,0) 2(2.3,0)
  silkscreen extent -2.7,-1.52 3.56,1.52, body extent -2.53,-1.3 2.58,1.3, height 2.15
SOD-123 [mil] "2.7x1.6X1.1mm（长宽高，不包括引脚）"
  rect 55x50 smd: 1(-67.5,0)
  oct 55x50 smd: 2(67.5,0)
  silkscreen extent -108,-35 112,35, body extent -73,-31 73,31, height 48
SOD-123F [mm] "2.7x1.6X1.1mm（长宽高，不包括引脚）"
  rect 1.3x1 smd: 1(-1.85,0)
  oct 1.3x1 smd: 2(1.85,0)
  silkscreen extent -2.79,-0.89 2.84,0.89, body extent -1.9,-0.8 1.9,0.8, height 1.15
SOD-323 [mm] "1.8x1.3X0.9mm（长宽高，不包括引脚）"
  rect 1x0.8 smd: 1(-1.4,0)
  oct 1x0.8 smd: 2(1.4,0)
  silkscreen extent -2.11,-0.76 2.11,0.76, body extent -1.34,-0.63 1.31,0.67, height 1
SOP-8 [mil]
  oval 80x24 smd: 1(0,0) 2(0,-50) 3(0,-100) 4(0,-150) 5(220,-150) 6(220,-100) 7(220,-50) 8(220,0)
  silkscreen extent 60,-175 160,25, body extent -15,-173 235,24, height 74
SOP-8EP [mm]
  rect 0.55x1.44 smd: 1(0,0)
  oval 0.55x1.44 smd: 2(1.28,0) 3(2.56,0) 4(3.84,0) 5(3.84,5.5) 6(2.56,5.5) 7(1.28,5.5) 8(0,5.5)
  rect 2x2 smd: 9(1.905,2.73)
  silkscreen extent -0.91,-0.15 4.48,3.95, body extent -0.5,-0.28 4.31,5.71, height 1.69
SOT23-3N [mm] "3x1.3x1mm(长宽高)"
  rect 0.5x1.2 smd: 1(-0.95,-1.143) 2(0.95,-1.143) 3(0,1.143)
  silkscreen extent -1.72,-1.78 1.5,0.7, body extent -1.5,-1.2 1.5,1.2, height 1.05
SOT23-5N [mm] "3x1.6x1.1mm(长宽高)"
  rect 0.5x1.2 smd: 1(-0.95,-1.4) 2(0,-1.4) 3(0.95,-1.4) 4(0.95,1.4) 5(-0.95,1.4)
  silkscreen extent -1.63,-1.78 1.5,0.56, body extent -1.5,-1.4 1.5,1.4, height 1.15
SOT89_N [mm] "4.6x4.3x1.6mm(长宽高)"
  rect 0.65x1.4 smd: 1(-1.5,-1.952) 3(1.5,-1.952)
  oct 1.9x3.2 smd: 2(0,1.016)
  rect 0.65x2.1 smd: 2(0,-1.626)
  silkscreen extent -2.54,-2.52 2.54,1.52, body extent -2.3,-2.4 2.3,1.9, height 1.6
SOT223_L [mm] "6.4x7x1.6mm(长宽高)"
  rect 0.75x1.7 smd: 1(-2.3,-3.048) 2(0,-3.048) 3(2.3,-3.048)
  rect 3.1x1.7 smd: 2(0,3.048)
  silkscreen extent -3.5,-3.88 3.25,1.75, body extent -3.25,-3.51 3.25,3.51, height 1.65
TSSOP16_N [mm] "5*6.4*1mm（长宽高）"
  rect 1.4x0.3 smd: 1(-3.004,2.275)
  oval 1.4x0.3 smd: 2(-3.004,1.625) 3(-3.004,0.975) 4(-3.004,0.325) 5(-3.004,-0.325) 6(-3.004,-0.975) 7(-3.004,-1.625) 8(-3.004,-2.275) 9(2.996,-2.275) 10(2.996,-1.625) 11(2.996,-0.975) 12(2.996,-0.325) 13(2.996,0.325) 14(2.996,0.975) 15(2.996,1.625) 16(2.996,2.275)
  silkscreen extent -3.3,-2.54 1.78,3.05, body extent -3.2,-2.5 3.2,2.5, height 1.03

## Part data
C1 C2 C3 C4 C5 C6 C7 C8 C9 C10 C11 C12 C13 C14 C15 C16 C17 C18 C19 C20 C21 C22 C23 C24 C25 C26 C27 C28 C29 C30 C31 C32 C33 C34 C35 C36 C37 C38 C39 C40 C41 C42 C43 C44 C45 C46 C47 C48 C49 C50 C51 C52 C53 C54 C55 C56 C57 C58 C59 C60 C61 C62 C63 C64 C65 C66 C67 C68 C69 C70 C71 C72 C73 C74 C75 C76 C77 C78 C79 C80 C81 C82: library part C, "无极性贴片电容", BOM名称=无极性贴片电容, 学习资源=www.ooocke.com, 版权归属=源创客
CN1: "20P 间距P=3.5mm / 插拔式接线端子", BOM_Manufacturer=KEFA(科发), BOM_Manufacturer Part=KF2EDGKRH-3.5-2*10P, BOM_Supplier=LCSC, BOM_Supplier Part=C2923169, Contributor=LCSC, spicePre=C, spiceSymbolName=KF2EDGKRH-3.5-2*10P
CN2: "3.5mm 排数:1 每排P数:2 弯针 / 插拔式接线端子", BOM_JLCPCB Part Class="Extended Part", BOM_Manufacturer="Cixi Kefa Elec", BOM_Manufacturer Part=KF2EDGR-3.5-2P, BOM_Supplier=LCSC, BOM_Supplier Part=C441171, Contributor=LCSC, spicePre=C, spiceSymbolName=KF2EDGR-3.5-2P
CN3: "14P 间距P=3.5mm / 插拔式接线端子", BOM_Manufacturer=KEFA(科发), BOM_Manufacturer Part=KF2EDGKRH-3.5-2*7P, BOM_Supplier=LCSC, BOM_Supplier Part=C2923166, Contributor=LCSC, spicePre=C, spiceSymbolName=KF2EDGKRH-3.5-2*7P_C2923166
CR1: library part CR-3V, "MYOUNG(美阳) 电池底座 适用电池:CR1220", BOM名称=微型电池, 学习资源=www.ooocke.com, 版权归属=源创客
D1 D2: "高速开关二极管", BOM名称=高速开关二极管, 学习资源=www.ooocke.com, 版权归属=源创客
D3 D4 D5: library part SS210, "肖特基二极管", BOM名称=肖特基二极管, 学习资源=www.ooocke.com, 版权归属=源创客
D6 D7 D8: library part 1N4148, "高速开关二极管", BOM名称=高速开关二极管, 学习资源=www.ooocke.com, 版权归属=源创客
D9: BOM_JLCPCB Part Class="Extended Part", BOM_Manufacturer=DOWO, BOM_Manufacturer Part=PESD2CAN, BOM_Supplier=LCSC, BOM_Supplier Part=C284078, Contributor=LCSC, spicePre=D, spiceSymbolName=PESD2CAN
D10 D11 D12: library part PESD2CAN, BOM_JLCPCB Part Class="Extended Part", BOM_Manufacturer=DOWO, BOM_Manufacturer Part=PESD2CAN, BOM_Supplier=LCSC, BOM_Supplier Part=C284078, Contributor=LCSC, spicePre=D, spiceSymbolName=PESD2CAN
DR1 DR2 DR3 DR4 DR5 DR6 DR7 DR8 DR9 DR10: library part DR, "瞬态电压抑制二极管", BOM名称=瞬态电压抑制二极管, 学习资源=www.ooocke.com, 版权归属=源创客
E1 E2 E3: library part C-CD, "贴片钽电容", BOM名称=贴片钽电容, 学习资源=www.ooocke.com, 版权归属=源创客
JP1 JP2: library part "Header 3", "3P排针", BOM名称=3P接插件, 学习资源=www.ooocke.com, 版权归属=源创客
K1 K2 K3: BOM_JLCPCB Part Class="Extended Part", BOM_Manufacturer="Xiamen Hongfa Electroacoustic", BOM_Manufacturer Part=HF49FD/012-1H12, BOM_Supplier=LCSC, BOM_Supplier Part=C399491, Contributor=LCSC, spicePre=K, spiceSymbolName=HF49FD/012-1H12
L1 L2 L3: library part L-CDRH, "一体成型电感", BOM名称=功率屏蔽电感, 学习资源=www.ooocke.com, 版权归属=源创客
L4: library part L, "磁珠 HH-1M1608-121JT", BOM名称=小功率贴片电感, 学习资源=www.ooocke.com, 版权归属=源创客
Q1 Q2: library part D882-SMD, "音频功放-NPN型", BOM名称=音频功放-NPN型, 学习资源=www.ooocke.com, 属性="40V 3A 30W", 版权归属=源创客
Q3 Q4 Q5: library part 8050-SMD, "高频放大-NPN型", BOM名称=高频放大-NPN型, 学习资源=www.ooocke.com, 属性="40V 1.5A 1W 100MHZ", 版权归属=源创客
R1 R2 R3 R4 R5 R6 R7 R8 R9 R10 R11 R12 R13 R14 R15 R16 R17 R18 R19 R20 R21 R22 R23 R24 R25 R26 R27 R28 R29 R30 R31 R32 R33 R34 R35 R36 R37 R38 R39 R40 R41 R42 R43 R44 R45 R46 R47 R48 R49 R50 R51 R52 R53 R54 R55 R56 R57 R58 R59 R60 R61 R62 R63 R64 R65 R66 R67 R68 R69 R70 R71 R72 R73 R74 R75 R76 R77 R78 R79 R80 R81 R82 R83 R84 R85 R86 R87 R88 R89 R90 R91 R92 R93 R94 R95 R96: library part R, "贴片电阻", BOM名称=贴片电阻, 学习资源=www.ooocke.com, 版权归属=源创客
RJ1: "带灯以太网接口"
U2: "spi flash", BOM_JLCPCB Part Class="Extended Part", BOM_Manufacturer=XTX, BOM_Manufacturer Part=XT25F32BSOIGU-S, BOM_Supplier=LCSC, BOM_Supplier Part=C558851, Contributor=LCSC, spicePre=U, spiceSymbolName=XT25F32BSOIGU-S
U3 U4 U5: BOM_JLCPCB Part Class="Extended Part", BOM_Manufacturer=TI, BOM_Manufacturer Part=TPS54360DDAR, BOM_Supplier=LCSC, BOM_Supplier Part=C44377, spicePre=U, spiceSymbolName=TPS54360DDAR
U6 U7 U8: "Quadruple Operational Amplifier", Code_IPC=SOIC127P600-14, ComponentLink1Description="Manufacturer Link", ComponentLink1URL=http://www.ti.com/, ComponentLink2Description=Datasheet, ComponentLink2URL=http://www-s.ti.com/sc/ds/lm324.pdf, DatasheetVersion=Jan-1989, LatestRevisionDate=13-Apr-2006, LatestRevisionNote="IPC-7351 Footprint Added.", PackageDescription="14-Pin Small Outline Integrated Circuit 1.27 mm Pitch", PackageReference=D014, PackageVersion=Jan-1998, Published=15-Apr-2002, Publisher="Altium Limited"
V1: library part AMS1117, "三端稳压芯片", BOM名称=稳压芯片, 学习资源=www.ooocke.com, 版权归属=源创客
X1 X3: library part XTAL-4P, "4脚无源晶振", BOM名称=4脚无源晶振, 学习资源=www.ooocke.com, 版权归属=源创客
X2: library part XTAL-2P, "2脚无源脚晶振 型号Q13FC13500005", BOM名称=2脚无源脚晶振, 学习资源=www.ooocke.com, 版权归属=源创客

## Via types
v1: diameter 24, hole 12, Top to Bottom, tented both sides, 215 vias
v2: diameter 20, hole 12, Top to Bottom, tented both sides, 159 vias
v3: diameter 18, hole 10, Top to Bottom, tented both sides, 121 vias
v4: diameter 20, hole 10, Top to Bottom, tented both sides, 34 vias
v5: diameter 24, hole 12, Top to Bottom, 30 vias

## Nets (pads, with @x,y where several pads share a name; then routed paths per layer and width w, separated by ;. In a path a pad name is that pad's centre, name@x,y a point inside that pad or via, vN(x,y) a via of type N, cw(c..) or ccw(c..) an arc to the next point about the centre after c; other vN are vias at no path point)
3.3V: C5.2 C6.2 C7.2 C8.2 C9.2 C11.1 C12.1 C13.2 C16.2 C60.1 C65.1 C78.1 C79.1 D1.1 L4.1 R1.2 R3.1 R4.1 R72.2 RJ1.9 RJ1.12 U1.13 U1.19 U1.32 U1.48 U1.64 U2.8 U15.16 U17.8 U18.28 V1.2 | length 4450.3
  Top w10: U18.28@560.2,1671.08 560.39,1671.27 560.39,1706.02 614.41,1760.04 C78.1@660.99,1760.04 765.39,1760.04 L4.1@765.98,1760.63 ; v1(1375.98,2630.03) R1.2@1375.98,2664.13 ; D1.1@1379.11,2985.03 v1(1440.98,2985.03) ; v1(1565.98,3060.63) 1609.56,3060.63 C7.2@1610.4,3059.8 ; C7.2@1610.4,3059.72 C8.2@1610.4,3004.8 1610.4,3004.72 1628.35,2986.77 U1.64@1628.35,2918.22 ; v1(1655.98,2340.03) 1655.98,2379.44 C9.2@1656.57,2380.03 1667.72,2391.17 U1.19@1667.72,2481.21 ; U1.32@1923.62,2481.21 1923.62,2434.14 1965.98,2391.78 1965.98,2390.03 C5.2@1975.98,2380.03 ; C5.2@1985.28,2390.03 C5.2@1985.28,2389.33 ; U1.48@1994.49,2847.35 2088.04,2847.35 C6.2@2105.99,2865.3 2106.31,2865.63 v1(2150.98,2865.63) ; v1(2005.98,2430.03) 2003.31,2427.35 2003.31,2407.35 C5.2@1985.28,2389.33 ; v1(2240,2705.63) 2276.58,2705.63 2280.98,2710.03 U2.8@2280.98,2794.72 ; R4.1@2436.58,2710.03 2440.98,2705.63 v1(2480,2705.63) ; R3.1@2651.58,2894.72 2651.89,2895.03 v1(2695.98,2895.03) ; C5.2@1975.98,2380.03 C5.2@1985.28,2389.33 ; C5.2@1975.98,2380.03 1975.28,2379.33 1985.28,2379.33 C5.2@1985.28,2389.33
  Top w12: v1(340.98,2355.63) 341.28,2355.93 380.68,2355.93 C60.1@380.98,2356.22 425.39,2400.63 U15.16@444.21,2400.63 ; v1(505,215.63) 635,85.63 739.09,85.63 RJ1.12@797.12,143.66 ; v1(1465,2345.63) 1425.3,2385.33 1425.3,2440.34 1425.79,2440.83 1425.79,2495.43 C11.1@1425.98,2495.63 1434.98,2504.63 1434.98,2524.8 1521.22,2611.04 1556.39,2611.04 U1.13@1556.48,2611.13 ; v1(2210.98,2430.63) 2210.69,2430.33 2210.69,2385.92 C65.1@2210.39,2385.63 2235.98,2360.03 U17.8@2235.98,2320.63 ; R72.2@2325.98,2155.04 2352.02,2155.04 2370.98,2174.01 v3(2370.98,2175.63)
  Top w14: v1(761.98,1820.63) 761.98,1764.63 L4.1@765.98,1760.63
  Bottom w12: RJ1.9@275.47,143.66 323.6,191.79 481.16,191.79 527.84,238.47 527.84,387.79 765,624.95 765,735.63 706.98,793.65 706.98,1716.65 730,1739.67 v1(730,1890.63) ; v3@2369.84,2174.48 v3(2370.98,2175.63)
  other v1: 2360.98,2500.63 2395.98,2500.63 2430.98,2500.63 2360.98,2535.63 2395.98,2535.63 2430.98,2535.63 2360.98,2570.63 2395.98,2570.63 2430.98,2570.63
3V3A: C66.2 C67.2 C68.2 C69.2 C70.2 C71.2 C72.2 L4.2 R81.1 R82.1 R83.1 R87.1 R88.1 R89.1 U18.4 U18.8 U18.11 U18.15 U18.17 U18.21 | length 1417.2
  Top w10: R83.1@210.39,1520.63 R82.1@210.39,1465.63 R81.1@210.39,1410.63 210.39,1376.22 210.98,1375.63 v1(210.98,1365.63) ; v1(375.98,830.63) 375.98,860.87 385.15,870.04 R88.1@385.99,870.04 ; R87.1@440.98,869.49 442.36,869.49 R87.1@443.05,868.8 ; R87.1@445.11,870.87 450.98,864.99 v1(450.98,830.63) ; C68.2@455.99,1256.22 461.77,1262 U18.4@461.77,1350.18 461.58,1350.37 461.58,1410.03 v1(460.98,1410.63) ; v1(520,1410.63) 540.32,1390.31 540.32,1350.84 U18.8@540.97,1350.18 ; C69.2@525.99,1256.22 525.99,1302.08 540.98,1317.07 U18.8@540.98,1350.18 ; v1(575,1410.63) 578.52,1410.63 599.38,1389.77 599.38,1350.37 U18.11@599.57,1350.18 599.57,1292.64 C67.2@635.99,1256.22 ; v1(580.98,935.63) R89.1@580.99,975.04 ; v1(616.98,1560.03) 617.08,1559.94 671.34,1559.94 U18.21@671.43,1559.84 761.19,1559.84 C70.2@775.4,1545.63 ; U18.15@671.43,1441.73 671.62,1441.54 714.49,1441.54 C66.2@775.4,1380.63 ; U18.17@671.43,1481.1 729.93,1481.1 C71.2@775.4,1435.63 C66.2@775.4,1380.63 ; C72.2@775.4,1325.63 C66.2@775.4,1380.63
  Top w12: v1(745.98,1290.63) 748.28,1292.93 748.28,1298.52 C72.2@775.4,1325.63
  Top w14: v1(761.98,1640.63) 761.98,1686.63 L4.2@765.98,1690.63
5V: C15.2 C51.1 C52.1 C55.1 C56.1 C64.1 CN3.10 E1.1 L1.2 R5.2 U13.1 U14.1 U16.3 V1.3 | length 843.1
  Top w10: v1(3015.98,2210.63) 3055.4,2210.63 R5.2@3060.4,2205.63
  Top w12: U13.1@3018.39,2545.75 3018.39,2555.53 3022.23,2559.37 3041.64,2559.37 3041.64,2560.82 C52.1@3101.58,2620.75 3101.42,2620.91 3101.42,2675.48 C51.1@3101.26,2675.63 3101.12,2675.77 3101.12,2720.49 v1(3100.98,2720.63) ; U14.1@3313.39,2545.75 3313.39,2555.53 3317.23,2559.37 3336.64,2559.37 3336.64,2560.82 C56.1@3396.58,2620.75 3396.42,2620.91 3396.42,2675.48 3396.12,2675.77 3396.12,2720.49 v1(3395.98,2720.63) ; C64.1@3470.98,2616.22 3581.58,2616.22 3600.98,2635.63 U16.3@3600.98,2700.63 ; C64.1@3470.98,2616.22 v3(3470.98,2675.63)
  Top w20: V1.3@2785.98,2631.18 2801.81,2631.18 2806.57,2635.95 C15.2@2806.57,2705.63
  other v1: 3080.98,505.63 3115.98,505.63 3150.98,505.63 3185.98,505.63 3080.98,540.63 3115.98,540.63 3150.98,540.63 3185.98,540.63 2516.86,2275.64 2556.86,2275.64 2596.86,2275.64 2636.86,2275.64 2516.86,2315.64 2556.86,2315.64 2596.86,2315.64 2636.86,2315.64 2850.98,2630.63 2885.98,2630.63 2850.98,2665.63 2885.98,2665.63 2850.98,2700.63 2885.98,2700.63